# Altium PCB power-v3.6.PcbDoc (part 3 of 3)
Units mil, origin at the board's own origin, x right, y up, seen from the top; angles counter-clockwise.
Board outline 6141.36 x 3430.84 mil, 4 copper layers (Signal 1, Ground, Power, Signal 2), stack 60.469 mil thick; 253 components, 142 nets, 643 pads, 692 vias.
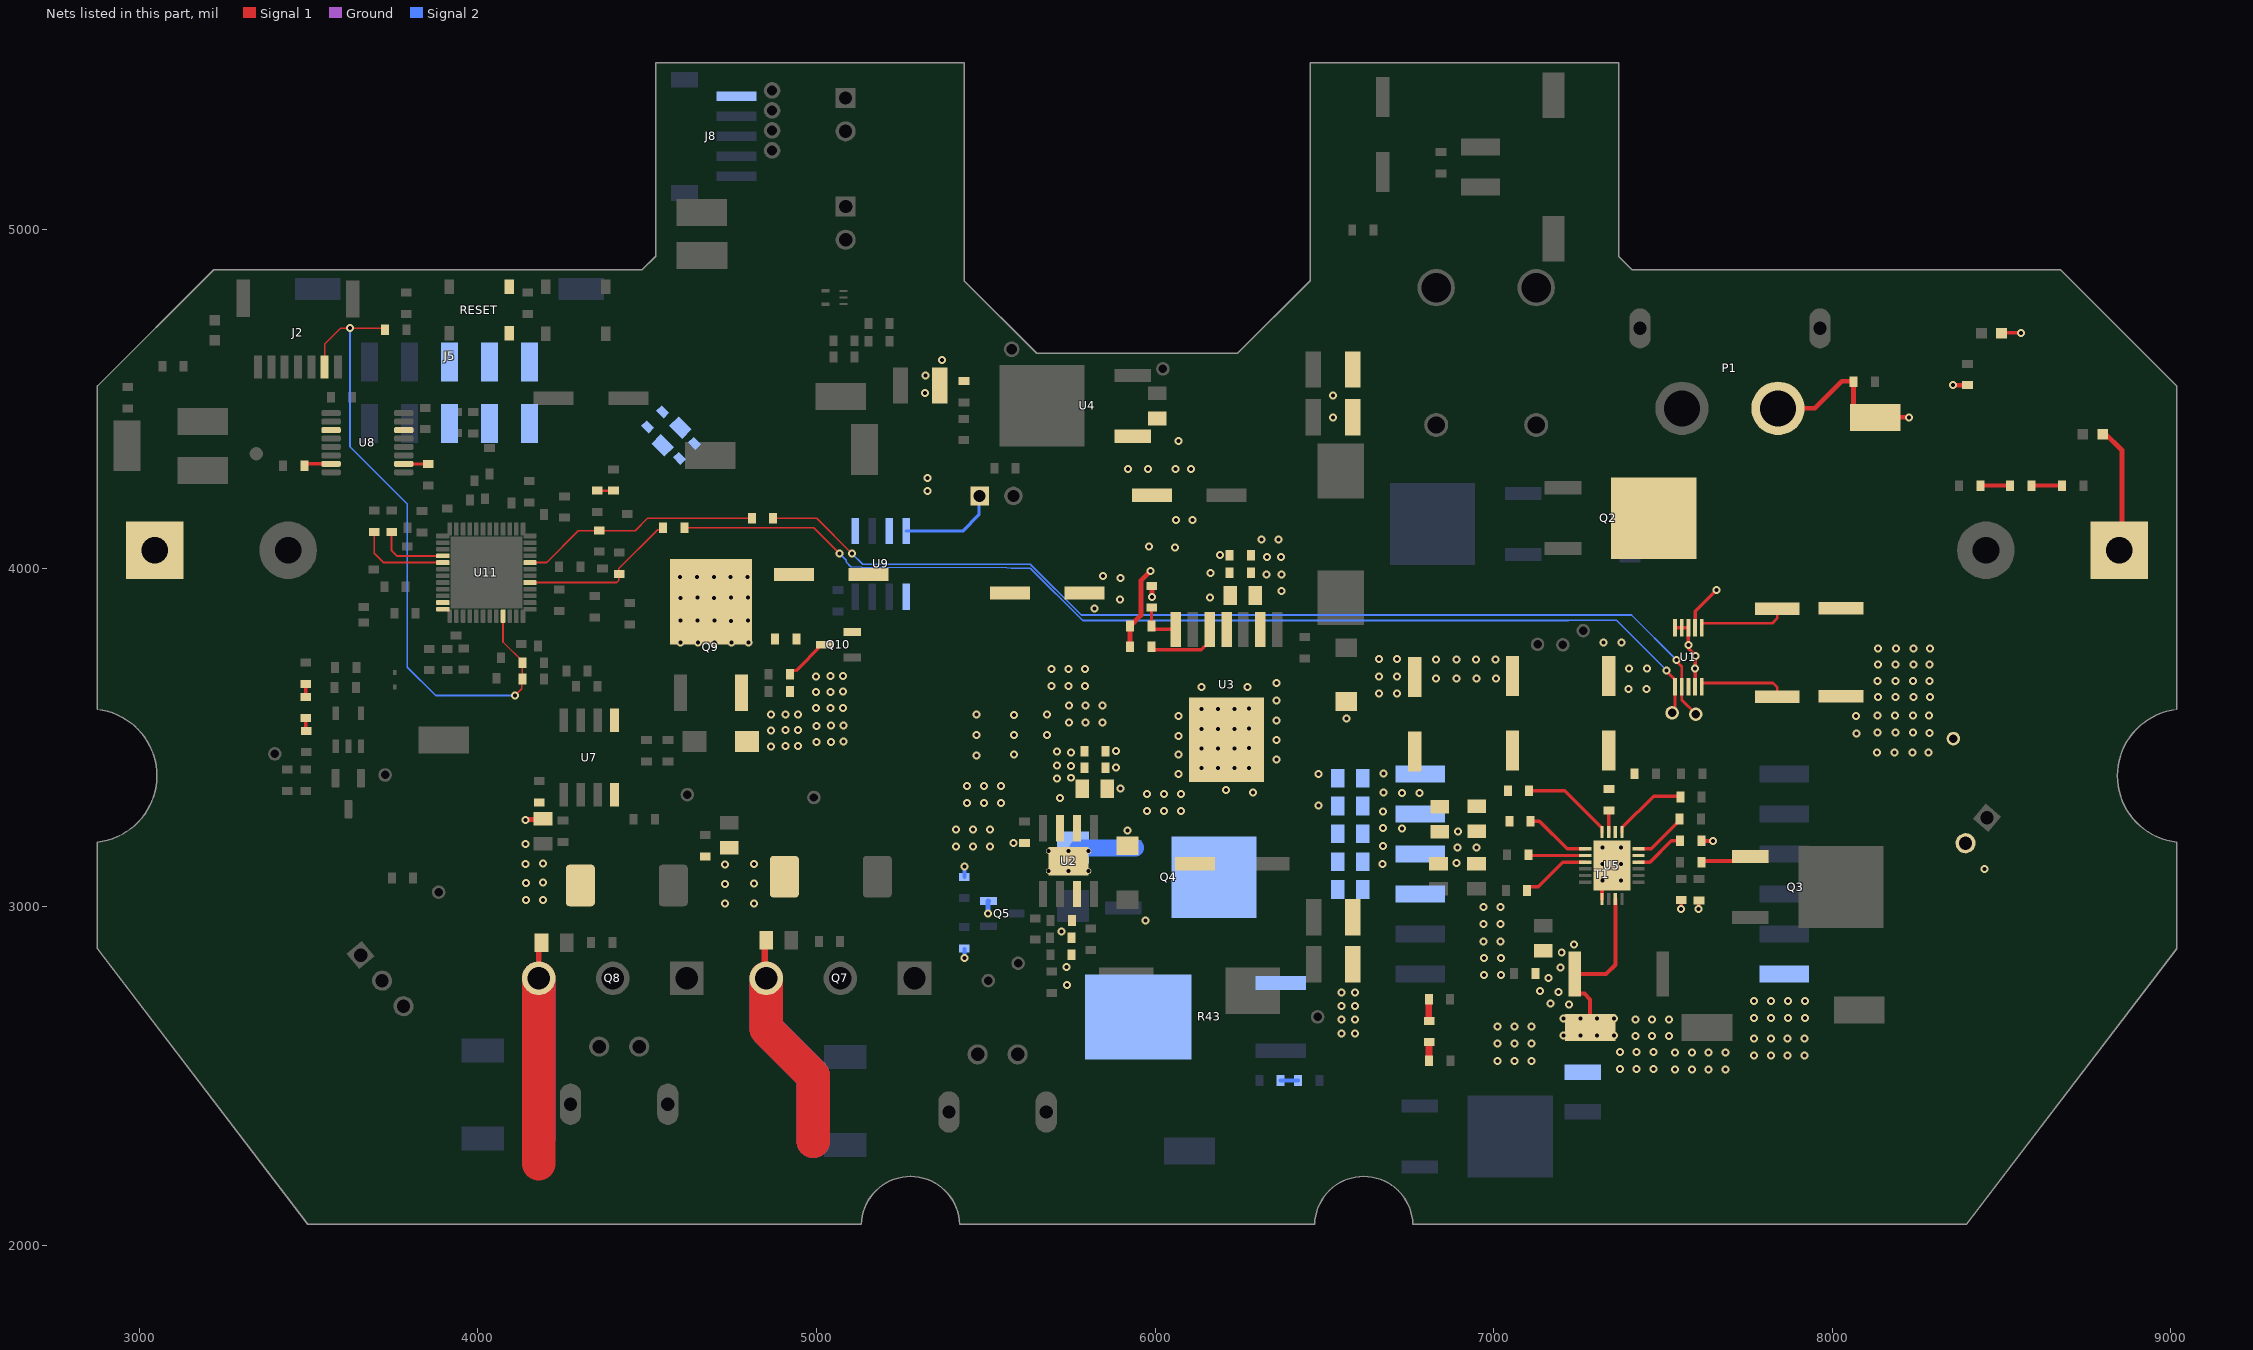
[diagram p5: the nets of this part, all layers, seen from the top]

## Via types
v1: diameter 23.62, hole 11.81, Signal 1 to Signal 2, tented both sides, 627 vias
v2: diameter 23.62, hole 11.81, Signal 1 to Signal 2, 61 vias
v3: diameter 181.1, hole 94.49, Signal 1 to Signal 2, tented both sides, 4 vias

## Nets (pads, with @x,y where several pads share a name; then routed paths per layer and width w, separated by ;. In a path a pad name is that pad's centre, name@x,y a point inside that pad or via, vN(x,y) a via of type N, cw(c..) or ccw(c..) an arc to the next point about the centre after c; other vN are vias at no path point) (continued)
NetPMS_SCL_1: PMS_SCL.1 R67.1 U1.6 | length 3216.2
  Signal 1 w5: R67.1@4610.4,4120.04 4991.82,4120.04 v1(5068.67,4043.2)
  Signal 1 w8: v1(7510.71,3698.55) 7510.71,3696.17 7535.84,3671.03 U1.6@7535.84,3650.28 7535.84,3590.7 7527.03,3581.89 PMS_SCL.1@7527.03,3573.23
  Signal 2 w5: v1(5068.67,4043.2) 5087.56,4024.31 5087.56,4018.77 5101.41,4004.91 5132.81,4003.45 5562.14,4001.94 5575.93,3999.93 5576.65,3999.88 5631.86,3999.88 5785.98,3845.76 7221.24,3845.76 7221.93,3846.45 7362.82,3846.45 v1(7510.71,3698.55)
NetPMS_SDA_1: PMS_SDA.1 R66.1 U1.7 | length 3024.9
  Signal 1 w5: R66.1@4872.08,4147.95 5000.33,4147.95 v1(5105.03,4043.25)
  Signal 1 w8: v1(7540.53,3728.63) 7540.53,3724.98 7555.54,3709.97 U1.7@7555.54,3650.28 7555.54,3610.75 PMS_SDA.1@7597.05,3569.25
  Signal 2 w5: v1(5105.03,4043.25) 5136.33,4011.95 5631.81,4011.95 5781.67,3862.09 7407.08,3862.09 v1(7540.53,3728.63)
NetQ3_1: Q3.1 R38.1 | length 151.5
  Signal 1 w12: R38.1@7614.07,3132.04 7618.01,3135.97 7743.65,3135.97 Q3.1@7758.03,3150.36
NetQ4_D: Q4.2 R43.1
NetQ10_3: Q10.3 R56.2 | length 156
  Signal 1 w10: R56.2@4921.44,3687.59 4921.44,3691.36 4928.25,3698.17 4939.63,3698.17 5015.99,3774.53 Q10.3@5024.5,3774.53 Q10.3@5039.26,3774.53
NetR12_2: R12.2 R14.1 U3.7 | length 132.2
  Signal 1 w10: R12.2@5990.66,3884.22 5989.63,3883.19 R14.1@5989.63,3829.8 5989.63,3826.63 5996.44,3819.82 U3.7@6061,3819.82
NetR13_1: R13.1 U3.5 | length 224
  Signal 1 w10: R13.1@5987.88,3768.78 5987.88,3766.63 5994.69,3759.82 6137,3759.82 6161,3783.82 U3.5@6161,3819.82
NetR16_1: R16.1 U8.7 | length 81.6
  Signal 1 w10: R16.1@3487.18,4302.79 3492.9,4308.5 U8.7@3566.46,4308.5
NetR17_2: R17.2 U8.10 | length 72.3
  Signal 1 w10: U8.10@3781.03,4308.5 3781.39,4308.14 3852.68,4308.14 R17.2@3853.04,4307.78
NetR25_1: R25.1 R27.2 | length 87.3
  Signal 1 w12: R25.1@8437.6,4244.32 R27.2@8524.92,4244.32
NetR26_1: R26.1 R28.2 | length 55.7
  Signal 1 w20: R26.1@6808.93,2545.24 R26.1@6809.08,2545.38 6809.36,2545.66 6809.36,2600.19 R28.2@6809.65,2600.48 R28.2@6809.79,2600.34
NetR27_1: R27.1 R29.2 | length 91
  Signal 1 w12: R27.1@8587.92,4244.32 R29.2@8678.96,4244.32
NetR28_1: R28.1 R33.2 | length 64.1
  Signal 1 w20: R33.2@6808.51,2727 6808.51,2664.6 R28.1@6809.65,2663.47 R28.1@6809.68,2663.51
NetR42_1: R42.1 R44.2 | length 51.3
  Signal 2 w12: R44.2@6371.06,2487.26 R42.1@6422.41,2487.26
NetR43_3: R43.3
NetR47_1: R47.1 R48.2 | length 38
  Signal 1 w10: R48.2@3491.91,3620.69 R47.1@3491.91,3658.7
NetR48_1: R48.1 R49.2 | length 38.2
  Signal 1 w8: R49.2@3491.91,3521.33 R49.2@3493.18,3520.06
  Signal 1 w10: R49.2@3491.91,3521.33 R48.1@3491.91,3557.7
NetR59_2: R59.2 U11.41 | length 275.1
  Signal 1 w5: R59.2@3694.14,4105.74 3694.14,4044.51 3721.62,4017.03 U11.41@3896.61,4017.03
NetR60_2: R60.2 U11.40 | length 213
  Signal 1 w5: R60.2@3745.1,4107.2 3745.1,4052.09 3760.46,4036.72 U11.40@3896.61,4036.72
NetR63_1: R63.1 R64.2 | length 47.8
  Signal 1 w8: R64.2@4352.49,4229.27 R63.1@4400.31,4229.27
NetRESET_2: RESET.2
NetRESET_4: RESET.4
NetU1_8: U1.8
NetU2_3: U2.3
NetU5_15: U5.15
NetU5_18: U5.18
NetU7_1: U7.1
NetU7_8: U7.8
NetU8_3: U8.3
NetU8_14: U8.14
NetU9_1: U9.1
NetU9_5: U9.5
NetU9_7: U9.7
NetU11_47: U11.47
NetU11_48: U11.48
OVLO1: R24.1 U5.1 | length 195.2
  Signal 1 w10: R24.1@7109.11,3253.1 7109.38,3252.83 7135.45,3252.83 7216.75,3171.53 U5.1@7270.54,3171.53
OVLO2: R22.1 U5.3 | length 208.7
  Signal 1 w10: R22.1@7098.91,3048.29 7098.91,3052.23 7105.73,3059.04 7131.28,3059.04 7204.4,3132.16 U5.3@7270.54,3132.16
PGND: C2.2 C3.2 C4.1 C5.1 C6.NEG C8.1 C10.1 C11.2 C12.1 C13.NEG C14.NEG C15.2 C17.1 C18.NEG C19.NEG C20.NEG C21.1 C22.NEG C23.NEG C24.1 C25.1 C26.1 C27.1 C28.1 C29.1 C30.1 C32.2 C33.2 C34.2 C35.1 C41.1 C42.1 C48.1 C49.1 C50.1 C56.NEG C67.1 C68.1 C69.1 C72.1 C73.2 C74.2 D2.A D4.A D5.2 D8.2 D9.A D13.A D15.A FB_CSN.1 J1.2 J5.1 J5.2 J5.3 J8.1 P1.1 PGND.1 Q4.3 Q5.2 Q7.3 Q8.3 Q10.2 R3.1 R4.2 R10.1 R11.2 R13.2 R14.2 R15.2 R40.1 R41.1 R46.1 R52.2 R54.2 R71.2 R75.1 T1.12 U1.3 U1.4 U1.5 U1.9 U2.7 U2.9 U2.V1 U2.V2 U2.V3 U2.V4 U2.V5 U2.V6 U3.4 U3.8 U4.1 U5.7 U5.9 U5.21 | length 4720.4
  Signal 1 w10: U1.5@7535.84,3824.78 U1.4@7555.54,3824.78 U1.3@7575.24,3824.78 ; v1(7553.78,2994.01) 7553.78,3020.11 C35.1@7553.89,3020.23 ; U1.3@7575.26,3824.77 v1(7575.28,3772.92) 7577.88,3770.31 7577.88,3760.62 7595.9,3742.61 v1(7595.9,3740.72) 7595.42,3740.24 7595.42,3650.76 U1.9@7594.94,3650.28 ; v1(7605.42,2994.01) 7605.42,3018.35 C34.2@7606.56,3019.5 ; D5.2@8499.89,4694.62 8500.8,4695.53 v2(8557.44,4695.53)
  Signal 1 w12: FB_CSN.1@7284.93,2641.05 FB_CSN.1@7284.93,2643.97 7284.93,2726.79 7267.87,2743.85 7252.34,2743.85 7239.64,2756.55 R40.1@7239.64,2801.73 7331.72,2801.73 7359.24,2829.24 7359.24,2987.89 U5.9@7359.25,3023.76 ; U5.7@7319.88,3023.77 U5.21@7319.88,3080.22 ; v1(7321.9,3078.2) U5.21@7319.88,3080.22 ; U5.21@7349.41,3122.32 7319.88,3092.79 U5.21@7319.88,3080.22 ; R41.1@7613.17,3195.51 7613.77,3194.91 7647.39,3194.91 v1(7647.99,3194.31)
  Signal 1 w14: P1.1@7839.72,4472.61 7948.79,4472.61 8028.4,4552.22 8061.95,4552.22 R3.1@8062.63,4551.54 8062.63,4480.81 8097.59,4445.85 PGND.1@8127.41,4445.85 8127.7,4446.14 v1(8226.37,4446.14)
  Signal 1 w15: v1(4141.21,3256.67) 4142.86,3258.32 4204.41,3258.32 C42.1@4207.21,3255.51 ; Q8.3@4179.54,2789.21 4179.82,2789.49 4179.82,2895.4 C74.2@4180.1,2895.68 ; R13.2@5926.55,3768.69 5926.59,3768.73 R14.2@5926.63,3829.8 R14.2@5926.63,3829.8 5957.96,3861.12 5957.96,3963.61 v1(5985.81,3991.47) ; D8.2@8803.48,4400.72 8855.5,4348.7 8855.5,4061.4 C23.NEG@8847.64,4053.54
  Signal 1 w20: C73.2@4847.28,2879.45 4847.28,2793.36 Q7.3@4851.63,2789.02
  Signal 1 w100: 4179.54,2241.61 Q8.3@4179.54,2789.21 ; Q7.3@4851.63,2789.02 4851.63,2639 4990.38,2500.25 4990.38,2308.08
  Ground w100: 4179.54,2316.82 Q8.3@4179.54,2789.21 ; Q7.3@4851.63,2789.02 4851.63,2640.18 4990.38,2501.43 4990.38,2308.08
  Signal 2 w12: v1(5437.18,2849.25) R46.1@5437.18,2876.35
  Signal 2 w15: v1(5506.48,2980.56) 5506.48,3016.43 Q5.2@5507.94,3017.89
  Signal 2 w50: D9.A@5771.84,3174.54 5941.74,3174.54 Q4.3@5942.67,3175.47
  other v1: 7535.2,2519.81 7585.2,2519.81 7635.2,2519.81 7685.2,2519.81 7372.47,2521.02 7422.47,2521.02 7472.47,2521.02 7011.66,2545.43 7061.66,2545.43 7111.66,2545.43 7768.41,2561.8 7818.41,2561.8 7868.41,2561.8 7918.41,2561.8 7535.2,2569.81 7585.2,2569.81 7635.2,2569.81 7685.2,2569.81 7372.47,2571.02 7422.47,2571.02 7472.47,2571.02 7011.7,2596.61 7061.7,2596.61 7111.7,2596.61 7768.41,2611.8 7818.41,2611.8 7868.41,2611.8 7918.41,2611.8 7418.38,2618.19 7468.38,2618.19 7518.38,2618.19 7205.88,2619.8 7255.88,2619.8 7305.88,2619.8 7355.88,2619.8 6550.74,2626.82 6590.74,2626.82 7011.7,2646.61 7061.7,2646.61 7111.7,2646.61 6550.74,2666.82 6590.74,2666.82 7418.38,2668.19 7468.38,2668.19 7518.38,2668.19 7205.88,2669.8 7255.88,2669.8 7305.88,2669.8 7355.88,2669.8 7769.59,2672.47 7819.59,2672.47 7869.59,2672.47 7919.59,2672.47 6550.74,2706.82 6590.74,2706.82 7222.33,2712.26 7167.79,2714.21 7769.59,2722.47 7819.59,2722.47 7869.59,2722.47 7919.59,2722.47 6550.74,2746.82 6590.74,2746.82 7191.65,2749.31 7137.11,2751.26 5740.01,2769.82 7161.47,2790.72 6971.19,2798.29 7021.19,2798.29 7196.92,2820.9 5737.82,2823 6971.22,2849.47 7021.22,2849.47 7201.13,2864.77 7237.98,2889.34 6970.42,2898.58 7020.42,2898.58 5723.1,2927.26 6970.45,2949.76 7020.45,2949.76 5971.61,2959.55 6970.45,2999.76 7020.45,2999.76 4142.35,3020.96 4192.87,3020.96 4141.93,3071.07 4192.45,3071.49 7375.92,3078.2 4141.09,3127.02 7321.9,3126.55 7375.92,3126.55 4192.87,3127.86 6890.82,3130.07 7321.9,3174.91 7375.92,3174.91 6893.72,3175.69 6949.22,3175.98 5412.51,3179.06 5462.51,3179.06 5512.51,3179.06 4140.26,3186.32 5581.28,3189.23 6894.88,3222.47 5918,3226.41 5412.51,3229.06 5462.51,3229.06 5512.51,3229.06 5975.97,3283.7 6025.97,3283.7 6075.97,3283.7 6483.01,3299.39 5445.14,3307.41 5495.14,3307.41 5545.14,3307.41 5975.97,3333.7 6025.97,3333.7 6075.97,3333.7 6289.48,3337.57 6210.22,3344.85 5897.64,3349.44 5445.14,3357.41 5495.14,3357.41 5545.14,3357.41 6482.53,3392.37 6069.13,3392.57 6136.67,3409.65 6185.59,3409.65 6235.14,3410.28 6278.14,3410.9 5884.17,3411.75 6359.04,3435.44 5472.81,3446.59 5582.95,3450.04 6069.13,3450.8 5884.51,3460.25 6136.67,3467.89 6185.59,3467.89 6235.14,3468.51 6278.14,3469.13 6359.04,3493.67 6069.13,3504.99 5472.81,3507.28 5582.95,3508.29 5680.7,3507.82 6136.67,3525.31 6185.59,3525.31 6235.14,3525.94 6278.14,3526.56 5745.2,3544.73 5795.2,3544.73 5845.2,3544.73 6359.04,3551.09 6565.5,3555.97 6069.13,3563.23 5582.95,3566.32 5472.81,3567.97 5680.7,3568.51 6136.67,3584.36 6185.59,3584.36 6235.14,3584.98 6278.14,3585.61 5745.2,3594.73 5795.2,3594.73 5845.2,3594.73 6359.04,3610.14 6136.62,3648.96 6273.31,3649.77 5693.77,3653.17 5743.77,3653.17 5793.77,3653.17 6359.04,3661.18 5693.77,3703.17 5743.77,3703.17 5793.77,3703.17 7595.17,3704.91 6161.98,3914.61 6163.44,3986.01 6191.69,4039.31 6058.36,4060.88 5982.32,4065.11 5328.58,4228.45 5328.58,4266.62 5920.77,4293.22 5979.3,4293.22 6060.77,4293.22 6068.7,4375.82 6526.04,4445.78 6525.42,4509.86 5320.69,4517.94 5321.68,4570.13 5370.26,4615.55
  other v2: 4730.3,3009.64 4816.18,3010.74 4730.3,3067.57 4816.18,3068.67 8449.78,3111.78 4730.3,3125.5 4816.18,3126.6 6661.91,3629.71 6715.16,3629.71 7398.28,3643.21 7451.53,3643.21 6830.01,3675.23 6890.46,3675.23 6949.25,3675.23 7006.31,3675.23 6661.91,3680.61 6715.16,3680.61 7399.09,3704.26 7452.34,3704.26 6829.22,3730.4 6889.66,3730.4 6948.46,3730.4 7005.51,3730.4 6661.16,3732.67 6714.41,3732.67 7324.21,3781.58 7377.46,3781.58 6061.45,4143.52 6111.19,4143.52 6105.59,4293.43
PMS_SCL: R5.1 R67.2 U11.17 | length 473.1
  Signal 1 w5: U11.17@4162.55,3957.98 4410.08,3957.98 4416.04,3963.94 4416.04,3982.24 R5.1@4417.02,3983.23 4416.45,3983.8 4416.45,3999.61 4531.03,4114.19 4541.56,4114.19 R67.2@4547.41,4120.04
PMS_SDA: R6.1 R66.2 U11.20 | length 700.8
  Signal 1 w5: U11.20@4162.55,4017.03 4202.57,4017.03 4296.84,4111.31 4358.89,4111.31 4464.44,4111.31 4501.09,4147.95 R66.2@4809.08,4147.95
PWR_CUT: J13.1 U9.8 | length 291.5
  Signal 2 w10: U9.8@5264.91,4110.19 5432.18,4110.19 5479.89,4157.9 5479.89,4211.96 J13.1@5481.81,4213.87
RBG: R41.2 U5.14 | length 148.1
  Signal 1 w10: U5.14@7428.28,3132.16 7461.82,3132.16 7525.17,3195.51 R41.2@7550.18,3195.51
RDCM: R32.2 U5.17 | length 224.9
  Signal 1 w10: U5.17@7378.94,3220.87 7378.94,3233.62 7472.71,3327.39 7548.48,3327.39 R32.2@7551.17,3324.7
RESET: C57.2 J2.6 R39.1 R61.2 U11.9 | length 1953.7
  Signal 1 w5: J2.6@3547.3,4594.6 3547.3,4662.53 3594,4709.23 3721.24,4709.23 R39.1@3725.79,4704.69 ; U11.9@4074.37,3858.96 4074.37,3782.61 4130.65,3726.32 4130.65,3678.39 R61.2@4130.94,3678.09 ; v1(4110.25,3624.48) 4110.25,3625.42 4129.45,3644.62 R61.2@4129.45,3673.73
  Signal 2 w5: v1(3622.25,4709.23) 3622.25,4359.59 3791.78,4190.06 3791.78,3707.92 3875.22,3624.48 v1(4110.25,3624.48)
RVOUT: R37.2 U5.16 | length 160
  Signal 1 w10: U5.16@7428.28,3171.53 7465.15,3171.53 7549.45,3255.83 R37.2@7549.45,3259.76
RVTRANS: R30.2 U5.19 | length 65.2
  Signal 1 w10: U5.19@7339.57,3220.87 7339.57,3284.15 R30.2@7340.91,3285.49
UVLO1: R23.1 U5.20 | length 273
  Signal 1 w10: R23.1@7105.03,3342.7 7105.33,3342.99 7210.51,3342.99 7319.88,3233.62 U5.20@7319.88,3220.87
UVLO2: R21.1 U5.2 | length 168.5
  Signal 1 w10: R21.1@7102.83,3153.74 7104.72,3151.85 U5.2@7270.54,3151.85
VCC: C3.1 C4.2 C5.2 C11.1 C13.POS C18.POS C19.POS C20.POS C24.2 C25.2 C26.2 C27.2 C28.2 C29.2 C30.2 C31.2 C67.2 C72.2 D16.1 Q9.3 R7.1 R8.1 R12.1 R20.2 R23.2 R24.2 R30.1 R45.2 R55.1 T1.3 T1.4 T1.5 T1.6 U1.10 U2.2 U3.2 VCC.1 | length 370.5
  Signal 1 w8: U1.10@7614.64,3650.28 7614.64,3659.73 7616.14,3661.23 7825.27,3661.23 7837.4,3649.1 R7.1@7837.4,3620.81 ; v1(8356.98,4541.35) v1@8357.19,4541.14 ; R20.2@8399.36,4541.14 R20.2@8399.58,4540.92
  Signal 1 w14: v1@8357.19,4541.14 R20.2@8399.36,4541.14
  Signal 1 w15: v1(5990.66,3915.71) R12.1@5990.66,3947.21
  Signal 2 w12: R45.2@5436.78,3089.22 v1@5436.78,3119.3
  other v1: 5437.04,3119.57 6671.86,3126.37 6672.98,3180.4 6729.15,3230.93 6673.3,3233.23 6673.35,3282.18 5719.28,3322.32 6729.4,3335.88 6781.58,3336.13 6674.28,3338.25 5711.11,3379.57 5751.69,3381.54 6674.28,3393.7 5752.1,3416.52 5711.11,3418.23 8131.86,3456.5 8184.24,3456.5 8236.63,3456.5 8284.76,3456.2 5752.1,3456.65 5711.11,3458.36 4865.3,3474.19 4908.86,3474.6 4944.95,3474.87 4999.49,3487.42 5043.04,3487.82 5079.14,3488.1 8070.93,3512.85 8286.65,3514.38 8133.75,3514.67 8186.14,3514.67 8238.52,3514.67 4865.3,3521.76 4908.86,3522.16 4944.95,3522.44 4999.49,3534.98 5043.04,3535.38 5079.14,3535.66 8070.46,3563.93 8286.18,3565.46 8133.28,3565.75 8185.66,3565.75 8238.05,3565.75 4865.3,3568.1 4908.86,3568.5 4944.95,3568.78 4998.05,3587.3 5041.61,3587.7 5077.7,3587.98 8288.07,3620.32 8135.17,3620.62 8187.55,3620.62 8239.94,3620.62 4998.05,3634.86 5041.61,3635.26 5077.7,3635.54 8133.75,3667.91 8186.14,3667.91 8238.52,3667.91 8286.65,3667.62 4998.05,3681.2 5041.61,3681.6 5077.7,3681.88 8134.7,3716.15 8187.08,3716.15 8239.47,3716.15 8287.6,3715.86 8135.78,3763.45 8188.17,3763.45 8240.55,3763.45 8288.69,3763.16 6372.9,3932.45 6329.46,3982.45 6372.82,3982.12 6330.11,4033.57 6372.46,4033.64 6314.82,4085.15 6364.82,4085.15
  other v2: 5821.52,3881.4 5895.94,3907.48 5897.19,3972.09 5845.85,3977.41
VCC_MOTOR: C48.2 C49.2 C50.2 C56.POS J5.6 J5.7 J5.8 Q9.2 R71.1
  other v1: 4599.09,3780.55 4649.39,3781.35 4699.39,3781.35 4749.39,3781.35 4799.39,3781.35 4747.88,3844.85 4597.8,3845.7 4648.1,3846.5 4698.1,3846.5 4798.1,3846.5 4597.8,3912.78 4697.13,3912.7 4648.1,3913.58 4748.1,3913.58 4798.1,3913.58 4596.47,3973.86 4646.77,3974.67 4696.77,3974.67 4746.77,3974.67 4796.77,3974.67
VCC_RPP: Q2.2 R7.2 R8.2 U1.1 U1.2 | length 406.1
  Signal 1 w8: U1.1@7614.64,3824.78 7614.64,3836.18 7616.14,3837.68 7822.75,3837.68 7837.4,3852.33 R7.2@7837.4,3880.66
  Signal 1 w10: U1.2@7594.94,3824.78 7594.94,3873.2 v1(7657.52,3935.78)
pads on no net: D7.1 J2.P1 J2.P2 J4.3 J4.4 P1.Un1 P1.Un2 P2.NC P3.NC T1.2 T1.11
copper on no net:
  other v3: 4783.29,2437.79 8169.12,2437.79 4783.29,4721.25

## Polygon pours and split planes (outlines as drawn)
GND on Ground "GND_L02_P302" (solid, pour order 302): 5725.2,5232.61 5459.23,4966.65 5249.46,4966.65 5161.43,4878.62 5161.43,4723.16 5496.58,4388.01 6578.49,4388.01 6578.49,4458.3 7023.16,4902.97 7037.21,4888.92 7402.46,4888.92 7402.46,5369.35 7557.84,5524.74 7446.85,5635.73 5821.63,5635.73 5772.48,5586.58
PGND on Ground "PGND_L02_P287" (solid, pour order 287): 4006.96,1659.41 4006.96,3309.95 4235.32,3538.3 4315.44,3458.18 5036.55,3458.18 5180.77,3602.4 5156.73,3626.44 5156.73,4439.46 6426.88,4439.46 6732.1,4744.69 7237.62,4744.69 8169.12,5676.18 9126.84,4718.46 9126.84,2328.44 8493.87,1695.47
GND on Ground "GND_L02_P195" (solid, pour order 195): 5497.19,4778.85 5343.15,4932.89 5342.81,4932.89 5223.26,4813.34 5372.56,4664.04 5372.56,4663.58 5291.34,4582.36 5291.34,4539.12 5291.58,4538.87 5291.58,4260.09 5282.76,4251.28 5255.95,4251.28 5201.11,4196.44 5201.11,3545.82 4991.72,3336.43 4123.12,3336.43 4074.14,3287.45 4074.14,2026 3931.77,1883.64 3270.71,1883.64 2458.93,2695.41 2458.93,5874.86 5491.81,5874.86 5514.36,5897.41 5506.48,4789.7
PGND on Ground "PGND_L02_P207" (solid, pour order 207): 5234.62,4212.35 5613.69,4212.35 5613.69,4440.63 5394.07,4660.25 5305.37,4571.55 5306.59,4570.33 5306.59,4256.72 5282.77,4232.89 5255.16,4232.89
PGND on Ground "PGND_L01_P-001" (solid, remove dead copper, pour order 192): 8629.57,3113.29 8098.02,2416.63 3776.71,2416.63 3269.57,3037.39 3269.57,4174.99 2879.57,4174.99 2879.57,2062.82 9019.57,2062.82 9019.57,4174.99 8629.57,4174.99
PGND on Signal 1 "PGND_L01_P275" (solid, pour order 275): 4201.22,3320.41 4131.77,3320.41 4123.75,3312.39 4124.2,3311.95 4124.2,2987.31 4362.37,2987.31 4362.37,3166.42 4185.22,3166.42 4185.22,3229.86 4185.22,3280.61 4201.04,3296.43
PGND on Signal 1 "PGND_L01_P315" (solid, remove dead copper, pour order 315): 5486.02,4807.77 5099.88,4421.63 4552.12,3932.85 4552.12,3110.8 5476.61,3110.8 5626.06,2988.45 6133.03,2988.45 6133.03,4569.85 6006.77,4696.11
3V3 on Signal 1 "3V3_L01_P312" (solid, pour order 312): 5644.41,4713.44 5564.4,4713.44 5435.49,4584.54 5435.49,4314.09 5485.81,4263.76 5706.99,4263.76 5909.2,4465.97 5909.2,4669.24
5V on Signal 1 "5V_L01_P311" (solid, pour order 311): 5838.68,4647.62 5838.68,4534.04 5903.92,4468.8 5904.94,4469.82 6541.11,4469.82 6541.11,4674.74 6427.94,4787.91 6184.28,4787.91
PGND on Signal 1 "PGND_L01_P307" (solid, pour order 307): 6481.76,4667.55 6617.14,4667.55 6654.83,4629.86 6654.83,4351.42 6490.22,4351.42 6447.92,4393.73 6447.92,4634.48
VCC on Signal 1 "VCC_L01_P282" (solid, pour order 282): 6778.14,3272.91 6768.88,3263.64 6769.76,3262.76 6769.76,3104.89 6751.4,3086.52 6641.35,3086.52 6630.52,3097.35 6630.52,3500.64 6694.3,3564.41 7453.42,3564.41 7485.25,3532.59 7675.76,3532.59 7675.76,3630.66 7694.03,3643.56 7848.06,3643.56 7871.26,3666.76 7871.26,3750.74 7926.58,3806.07 8276.95,3806.07 8388.68,3672.6 8388.68,3485.39 8290.02,3386.72 7921.12,3386.72 7854.22,3453.62 7457.72,3454.35 7429.38,3426.01 7429.38,3361.67 7398.75,3331.04 7266.24,3331.04 7198.18,3399.1 7077.99,3399.1 7056.04,3377.15 7057.34,3375.85 7057.34,3230.68 7044.2,3217.54 7033.99,3217.54 6994.03,3257.5 6994.03,3267.71 6988.83,3272.91
PGND on Signal 1 "PGND_L01_P299" (solid, pour order 299): 6098.08,3256.22 6114.03,3240.27 6503.19,3240.27 6642.77,3379.85 6642.77,3709.43 6505.29,3846.91 6393.86,3735.49 6272.71,3735.49 6251.46,3756.75 6251.46,4086.19 6181.61,4156.03 6181.61,4476.79 6034.26,4475.07 5909.63,4475.07 5816.45,4363.41 5816.45,4151.01 5973.85,3993.61 5973.85,3408.73
VCC on Signal 1 "VCC_L01_P304" (solid, pour order 304): 6263.75,4116.87 6419.65,4116.87 6521.05,3999.9 6521.05,3833.2 6324.38,3833.2 6311,3819.82 6226.12,3904.7 6226.12,4079.24 6225.37,4069.3
PGND on Signal 1 "NONET_L-01_P-001" (solid, pour order 321): 6643.7,3824.52 6642.59,3823.41 6642.59,3598.54 7471.16,3598.54 7466.73,3602.97 7466.73,3823.41
VCC on Signal 1 "VCC_L01_P294" (solid, pour order 294): 5728.73,3489.6 5808.04,3489.6 5823.08,3467.62 5823.08,3440.6 5823.08,3221.43 5800.47,3198.82 5752,3198.82 5689.36,3279.4 5689.36,3450.23
PGND on Signal 1 "PGND_L01_P293" (solid, pour order 293): 6487.09,3155.39 6546.75,3155.39 6662.1,3040.05 6662.1,2625.88 6469.57,2433.35 5721.67,2433.35 5614.38,2540.64 5614.38,3189.02 5765.1,3189.02 5824.06,3247.97 5824.06,3443.64 5840.09,3459.67 5986.87,3459.67
12V on Signal 1 "12V_Power_1" (solid, pour order 292): 6511.14,3101.29 6512.04,3100.39 6512.04,3261.58 6384.16,3261.58 6383.74,3261.99 6229.58,3261.99 6207.55,3239.97 6207.55,2925.85 6207.55,2816.81 6207.55,2652.01 6511.14,2652.01 6511.14,2850.38
12V on Signal 1 "12V_L01_P250" (solid, pour order 250): 7647.4,3031.73 7648.09,3031.04 7676.94,3031.04 7681.93,3036.03 7681.93,3090.36 7665.43,3106.86 7490.03,3106.86 7483.94,3100.77 7413.63,3100.77 7409.32,3096.45 7409.32,3065.74 7424.06,3051 7621.42,3051 7641.09,3031.33
LT_CSP on Signal 1 "LT_CSP_L01_P267" (solid, pour order 267): 7835.48,3005.81 7653.57,3005.81 7588.75,2940.99 7484.2,2940.99 7476.04,2932.84 7476.04,2733.33 7486.94,2722.43 7853.49,2722.43 7866.15,2735.1 7866.15,2981.57
NetFB_D_1 on Signal 1 "NETFB_D_1_L01_P270" (solid, pour order 270): 8390.08,3398.81 8382.29,3391.02 7932.23,3391.02 7866.39,3456.86 7597.92,3456.86 7592.62,3462.15 7580.94,3450.47 7580.94,3237.64 7596.38,3222.21 7830.72,3222.21 7844.02,3208.91 7835.71,3200.6 7835.71,2780.93 8317.46,2779.19 8317.46,2780.65 8390.08,2876.51
GND on Signal 1 "NONET_L-01_P-001" (solid, pour order 320): 4361.72,4459.62 4361.72,4580.97 4610.18,4580.97 4610.67,4580.48 4610.67,4459.11
12V on Signal 1 "NONET_L-01_P-001" (solid, pour order 319): 4278.52,3253.11 4278.52,3366.05 4278.23,3366.33 4279.07,3367.17 4328.87,3367.17 4328.87,3232.48 4328.87,3212.3 4279.09,3212.3
GND_JETSON on Signal 1 "GND_JETSON_L01_P281" (solid, pour order 281): 3584.56,4243.66 3586.96,4241.26 3653.4,4241.26 3653.4,4472.63 3653.4,4543.53 3596.23,4543.53 3596.15,4543.61 3590.49,4537.95 3590.49,4458.12 3581.69,4449.32 3534.55,4449.32 3534.55,4317.24 3389.41,4317.24 3374.8,4331.85 3374.8,4648.09 3314.79,4648.09 3314.79,4279.2 3350.33,4243.66
5V on Signal 1 "5V_L01_P203" (solid, pour order 203): 4313.42,4442.87 4313.03,4443.26 4313.03,4540.28 4288.77,4540.28 4186.22,4637.7 3642.3,4637.7 3642.3,4525.49 3659.65,4508.14 3882.19,4508.14 3888.03,4502.31 3888.03,4470.45 3915.61,4442.87
PGND on Signal 1 "PGND_L01_P-001" (solid, remove dead copper, pour order 221): 8630.35,3112.57 8098.8,2415.92 3777.49,2415.92 3270.35,3036.67 3270.35,4174.99 2880.35,4174.99 2880.35,2062.11 9020.35,2062.11 9020.35,4174.99 8630.35,4174.99
VCC on Signal 1 "VCC_L01_P193" (solid, pour order 193): 5761.26,4008.91 5776.02,4008.91 5925.34,4008.91 5925.34,3873.19 5907.28,3855.13 5784.74,3855.13 5761.26,3878.61 5761.26,3992.31
5V on Signal 1 "5V_L01_P298" (solid, pour order 298): 6544.93,4362.26 6495.13,4412.06 6495.13,4649.13 6370.28,4773.97 6312.29,4773.97 6185.75,4647.43 6185.75,4150.78 6211.34,4125.19 6487.56,4125.19 6540.11,4177.75
VCC on Signal 1 "VCC_L01_P249" (solid, remove dead copper, pour order 249): 4711.03,3746.44 4711.03,3457.82 5119.03,3457.82 5119.03,3746.44
12V on Signal 1 "12V_L01_P204" (solid, pour order 204): 5332.13,3950.57 5308.49,3926.93 5308.49,3848.3 5339.36,3817.43 5397.75,3817.43 5411.31,3834.01 5411.31,3928.85 5391.24,3948.92
NetD1_2 on Signal 1 "NETD1_2_L01_P246" (solid, pour order 246): 7040.44,4313.69 6981.69,4254.94 6981.69,4192.37 7043.36,4130.71 7044.22,4131.56 7281.63,4131.56 7281.63,4278.46 7246.39,4313.69
GND on Signal 1 "GND_L01_P303" (solid, pour order 303): 6410.58,5486.57 6618.56,5486.57 6723.09,5382.04 6723.09,4655.12 6335.15,4655.12 6335.15,5301.22
NetF1_1 on Signal 1 "NETF1_1_L01_P280" (solid, pour order 280): 6939.72,4914.53 6678.08,4914.53 6615.5,4851.95 6613.07,3930.09 6977.59,3930.09 6977.59,4373.35 6977.59,4879.57
5V-SW on Signal 1 "5V-SW_L01_P296" (solid, pour order 296): 6512.22,3921.54 6461.9,3871.22 6346.86,3871.22 6346.86,3800.76 6375,3772.61 6386.5,3784.11 6487.5,3784.11 6534.6,3737.01 6596.73,3737.01 6596.73,3791.93 6596.38,3792.27 6616.63,3812.52 6616.63,3847.19
12V-SW on Signal 1 "12V-SW_L01_P289" (solid, pour order 289): 5810.99,3002.18 5794.79,2973.77 5794.79,2923.47 5826.19,2923.47 5856.89,2892.77 5856.89,2837.96 5834.95,2816.03 5845.95,2805.02 5989.59,2805.02 5989.59,2816.47 5995.52,2822.4 5915.15,2902.77 5915.15,2956.31 5924.66,2965.82 5950.03,3002.18
PGND on Signal 1 "PGND_L01_P286" (solid, pour order 286): 6804.29,3255.24 6974.23,3255.24 6994.13,3235.35 6994.13,3098.76 6985.27,3089.9 6789.83,3089.9 6780.22,3099.51 6786.48,3105.78 6786.48,3237.43
VCC_RPP on Signal 1 "VCC_RPP_L01_P248" (solid, pour order 248): 8147.51,3874.42 8128.69,3855.61 7704.57,3855.61 7655.57,3904.61 7356.67,3904.61 7337.63,3923.65 7339.37,4349.05 7340.78,4350.46 7777.44,4350.46 8147.51,3980.39
GND on Signal 1 "GND_L01_P226" (solid, pour order 226): 6506.88,5461.09 6488.82,5442.28 6488.82,5228.37 6517.26,5199.93 7009.48,5199.93 7038.65,5229.1 7038.65,5438.67 7016.23,5461.09
5V on Signal 1 "5V_L01_P225" (solid, pour order 225): 6624.93,4967.29 6646.96,4946.4 7097.03,4946.4 7125.9,4975.26 7126.76,5176.72 7109.64,5193.84 6647.05,5193.84 6646.56,5194.08 6624.93,5172.44
PGND on Signal 1 "PGND_L01_P269" (solid, pour order 269): 7253.19,2907.52 7253.19,2904.42 7262.6,2895.01 7262.6,2701.08 7253.19,2691.67 7145.89,2691.67 7106.81,2730.74 7106.81,2895.12 7118.65,2906.96
VCC_MOTOR on Signal 1 "VCC_MOTOR_L01_P229" (solid, pour order 229): 4973.46,3853.64 4859.31,3739.49 4591.66,3739.49 4577.74,3757.29 4577.74,4009.67 4611.03,4042.95 4973.46,4042.95
+VBAT on Signal 1 "+VBAT_L01_P277" (solid, pour order 277): 7668.18,4624.67 7666.68,4623.17 7372.3,4623.17 7343.77,4651.7 7345.27,4653.2 7345.27,4872.48 7320.45,4897.3 7008.39,4897.3 7008.39,4384.81 7034.37,4358.83 7675.69,4358.83 7701.23,4384.36 7701.23,4597.63
PGND on Signal 1 "PGND_L01_P276" (solid, pour order 276): 4777.12,3198.42 4775.02,3198.42 4721.41,3198.42 4697.54,3174.56 4656.38,3174.56 4642.56,3160.74 4642.56,2985.06 4972.95,2985.06 4972.95,3185.86 4970.44,3185.86 4957.88,3198.42
NetD1_1 on Signal 1 "NETD1_1_L01_P247" (solid, pour order 247): 7014.96,4116.81 7018.84,4112.93 7286.09,4112.93 7310.95,4088.07 7310.95,3882.2 7274.43,3845.69 7272.88,3847.24 7029.72,3847.24 7000.2,3876.76 7005.64,3882.2 7005.64,4112.93
no net on Top Overlay "NONET_L-01_P-001" (solid): 6861.6,2390.51 7897.01,2390.51 7897.01,2115.53 7897.01,2106.52 7875.07,2106.52 6861.6,2106.52
GND on Signal 2 "GND_L04_P318" (solid, remove dead copper, pour order 318): 5939.46,5000.84 5953.22,4987.08 5953.22,2230.69 3600.42,2230.69 2813.86,3017.25 2813.86,4982.5 3398.62,5567.26 6015.13,5567.26
PGND on Signal 2 "PGND_L04_P314" (solid, remove dead copper, pour order 314): 5890.27,5559.53 5890.27,1990.65 6097.34,1783.58 9334.3,1783.58 9334.3,5437.72 9227.72,5544.3
PGND on Signal 2 "PGND_L04_P260" (solid, pour order 260): 7945.62,2498.58 7934.72,2509.48 6950.94,2509.48 6950.94,3314.46 7949.89,3314.46 7950.39,3314.96
NetD1_1 on Signal 2 "NETD1_1_L04_P244" (solid, pour order 244): 7007.55,4115.49 7517.78,4115.49 7537.13,4096.13 7606.36,4096.13 7606.36,3987.12 7466.42,3847.18 7003.19,3847.18
NetD7_IN on Signal 2 "NETD7_IN_L04_P262" (solid, pour order 262): 6627.02,2830.97 6862.29,2830.97 6862.29,2390.51 6627.02,2390.51
NetQ4_D on Signal 2 "NETQ4_D_L04_P263" (solid, pour order 263): 6220.28,3212.31 6330.4,3212.31 6440.18,3093.58 6439.98,3044.62 6438.7,2744.63 6215.41,2744.63
VCC_MOTOR on Signal 2 "VCC_MOTOR_L04_P206" (solid, pour order 206): 4011.72,4270.84 3874.27,4270.84 3874.27,4396.55 3874.27,4500.09 4440.03,4500.09 4881.87,4058.24 4881.87,3745.39 4832.42,3690.67 4628.51,3690.67 4440,3879.18
PGND on Signal 2 "PGND_L04_P209" (solid, remove dead copper, pour order 209): 5392.31,4641.44 5422.92,4610.83 5422.92,4179.61 5274.99,4179.61 5274.99,4360.6 4606.96,4360.6 4488.18,4479.37 4486.17,4477.36 3862.07,4477.36 3862.07,4859.3 5173.3,4859.3 5378.09,4654.51
5V on Signal 2 "5V_L04_P217" (solid, pour order 217): 3859.03,4677.54 3860.34,4493.51 3630.1,4493.51 3630.1,4677.54
+HV on Signal 2 "+HV_L04_P255" (solid, pour order 255): 2876.33,4151.38 3516.88,4151.38 3567.14,4101.11 3567.14,3923.09 3269.74,3625.68 3270.35,3625.07 3270.35,3039.03 3777.43,2415.92 8109.88,2415.92 8630.35,3098.05 8630.35,3649.1 8334.64,3944.81 8334.64,4152.11 9014.63,4152.11 9014.63,3586.18 9014.63,2680.82 8396.63,2062.82 3497.38,2062.82 2876.33,2683.88
NetFB_D_1 on Signal 2 "NETFB_D_1_L04_P254" (solid, pour order 254): 7694.25,3315.99 7691.04,3319.2 7584.19,3319.2 7580.94,3322.45 7580.94,3446.32 7928.19,3446.32 7995.82,3377.28 8367.34,3377.28 8391.32,3353.3 8391.32,3309.86 8391.32,2876.51 8308.8,2773.08 8000,2773.08 7953.55,2819.53 7953.55,2969.8 7915.59,3007.76 7751.76,3007.76 7694.25,3065.27
PGND on Signal 2 "PGND_L04_P205" (solid, pour order 205): 4881.51,4852.58 4675.85,5058.24 4675.85,5324.61 4740.51,5324.61 4790.25,5374.34 4790.25,5448.74 4649.4,5589.59 4438.11,5589.59 4438.11,5292.01 4339.91,5193.81 4339.91,4799.02
VCC on Signal 2 "VCC_L04_P261" (solid, pour order 261): 6844.9,3564.41 6600.89,3564.41 6586.61,3550.14 6586.61,3429.35 6586.61,3003.83 6591.21,2999.23 6861.71,2999.23 6870.91,3008.43 6867.69,3011.65 6867.69,3539.37
NetF1_1 on Signal 2 "NETF1_1_L04_P253" (solid, pour order 253): 6939.72,4914.53 6678.08,4914.53 6615.5,4851.95 6615.5,3915.73 6973.73,3915.73 6975.02,3914.44 6977.59,3917.02 6977.59,4373.35 6977.59,4879.57
GND on Signal 2 "GND_L04_P313" (solid, pour order 313): 5037.63,3919.78 5032.61,3924.8 5032.61,3950.81 5037.86,3956.06 5178.22,3956.06 5183,3951.29 5183,3868.22 5151.49,3868.22 5151.01,3867.74 5090.85,3867.74 5090.85,3908.32 5079.4,3919.78
+VBAT on Signal 2 "+VBAT_L04_P245" (solid, pour order 245): 7668.18,4624.67 7666.68,4623.17 7372.3,4623.17 7343.77,4651.7 7345.27,4653.2 7345.27,4872.48 7285.19,4932.56 7029.86,4932.56 7008.39,4911.09 7008.39,4384.81 7034.37,4358.83 7675.69,4358.83 7701.23,4384.36 7701.23,4597.63
NetD1_2 on Signal 2 "NETD1_2_L04_P222" (solid, pour order 222): 7589.08,4216.85 7589.08,4217.61 7589.08,4315.49 7042.24,4315.49 7022.17,4295.42 7022.17,4152.69 7043.36,4130.71 7053.07,4130.71 7480.74,4130.71 7480.74,4152.69 7541.93,4213.87 7587.37,4213.87
VCC on Power "VCC_L03_P309" (solid, pour order 309): 6268.75,5241.17 6648.73,5621.15 8881.09,5621.15 9180.04,5322.19 9180.04,2366.21 7118.71,2366.21 6268.75,3216.16
5V on Power "5V_L03_P306" (solid, pour order 306): 5838.68,4647.62 5838.68,4256.01 5901.56,4193.13 6643.95,4193.13 6643.95,5453.23 6552.69,5544.49 5960.26,5544.49
12V on Power "12V_L03_P218" (solid, pour order 218): 5332.13,3950.57 5308.49,3926.93 5308.49,3848.3 5339.36,3817.43 5397.75,3817.43 5411.31,3834.01 5411.31,3928.85 5391.24,3948.92
12V on Power "12V_L03_P216" (solid, pour order 216): 6288.94,3102.83 6288.06,3103.71 6288.06,3263.73 6512.06,3263.73 6512.06,3102.83 7650.48,3102.83 7715.27,3038.03 7715.27,2461.74 5401.43,2504.79 5401.43,3102.83
VCC on Power "VCC_L03_P213" (solid, pour order 213): 5236.52,3209.96 5351.39,3095.09 5920.28,3095.09 6280.77,3095.09 6280.77,4255.28 6268.75,4272.13 5668.71,4263.76 5236.52,3831.58
VCC on Power "VCC_L03_P208" (solid, pour order 208): 4609.23,3341.92 4836.3,3568.99 4836.3,3971.95 5149.65,4285.3 5689.11,4285.3 5689.11,3776.64 5273.69,3361.22
5V on Power "5V_L03_P220" (solid, pour order 220): 3976.35,4643.61 3980.62,4643.61 3981.81,4477.02 3759.68,4477.02 3756.14,4480.56 3756.14,4643.61
3V3 on Power "3V3_L03_P198" (solid, pour order 198): 5843.41,5740.38 5843.41,4251.28 5176.05,4251.28 4846.2,3921.43 4846.2,3568.03 4593.56,3315.38 4139.95,3315.38 4107.77,3283.21 4107.77,2498.93 3812.95,2498.93 3354.07,3053.85 3354.07,3603.21 3631.35,3880.49 3631.35,4175.04 3631.31,4174.99 2884.35,4174.99 2884.35,4535.54 3222.38,4873.56 3223.45,4873.56 3223.45,5577.21 3386.62,5740.38
+HV on Power "+HV_L03_P295" (solid, pour order 295): 2876.33,4151.38 3516.88,4151.38 3567.14,4101.11 3567.14,3923.09 3269.74,3625.68 3270.35,3625.07 3270.35,3039.03 3777.43,2415.92 8109.88,2415.92 8630.35,3098.05 8630.35,3649.1 8334.64,3944.81 8334.64,4152.11 9014.63,4152.11 9014.63,3586.18 9014.63,2680.82 8396.63,2062.82 3497.38,2062.82 2876.33,2683.88
5V on Power "5V_L03_P219" (solid, pour order 219): 6624.93,4982.79 6645.32,4962.39 7066.03,4962.39 7112.13,5008.49 7112.81,5164.95 7083.91,5193.84 6646.33,5193.84 6624.93,5172.44
+VBAT on Power "+VBAT_L03_P297" (solid, pour order 297): 7668.18,4624.67 7666.68,4623.17 7372.3,4623.17 7343.77,4651.7 7345.27,4653.2 7345.27,4872.48 7285.19,4932.56 7029.86,4932.56 7008.39,4911.09 7008.39,4384.81 7034.37,4358.83 7675.69,4358.83 7701.23,4384.36 7701.23,4597.63
NetF1_1 on Power "NETF1_1_L03_P300" (solid, pour order 300): 6939.72,4914.53 6819.76,4914.53 6615.5,4710.27 6615.5,3916.02 6977.59,3916.02 6977.59,4879.57

## Keep-outs
Signal 2:
  rectangle: 4085.84,2427.97 5384.8,2869.52

## Other copper
Signal 1:
  pour cut-out: 8019.76,2437.79 ccw(c8169.12,2437.79) 8169.12,2288.43 ccw(c8169.12,2437.79) 8318.48,2437.79 ccw(c8169.12,2437.79) 8169.12,2587.15 ccw(c8169.12,2437.79)
  pour cut-out: 4633.93,2437.79 ccw(c4783.29,2437.79) 4783.29,2288.43 ccw(c4783.29,2437.79) 4932.65,2437.79 ccw(c4783.29,2437.79) 4783.29,2587.15 ccw(c4783.29,2437.79)
  pour cut-out: 4664.5,4721.25 ccw(c4783.29,4721.25) 4783.29,4602.46 ccw(c4783.29,4721.25) 4902.08,4721.25 ccw(c4783.29,4721.25) 4783.29,4840.05 ccw(c4783.29,4721.25)
  pour cut-out: 8050.32,4721.25 ccw(c8169.12,4721.25) 8169.12,4602.46 ccw(c8169.12,4721.25) 8287.91,4721.25 ccw(c8169.12,4721.25) 8169.12,4840.05 ccw(c8169.12,4721.25)
  pour cut-out: 4078.02,2570.61 4078.02,2880.45 5524.92,2880.45 5756.62,2648.74 5756.62,2463 4332.2,2463 4078.02,2463
  pour cut-out: 8679.52,4454.39 8587.61,4408.43 8392.3,4408.43 8256.98,4273.12 8256.98,3868.45 8384.64,3740.8 8640.13,3740.8
  pour cut-out: 3282.59,4185.56 3566.82,4185.56 3575.57,4176.82 3575.57,3499.97 3292.78,3499.97
  pour cut-out: 5576.58,2511.96 5562.29,2497.67 5562.29,2415.92 3777.49,2415.92 3268,3048.64 3269.57,3050.21 3269.57,4174.99 2872.26,4174.99 2872.26,4222.55 2872.26,4223.97 3302.78,4223.97 3363.7,4163.06 3363.7,3078.66 3842.74,2518.13
  pour cut-out: 9043.16,4314.99 8681.99,4314.99 8581.04,4214.04 8560.23,3154.39 8034.75,2512.18 5562.29,2512.18 5562.29,2415.92 6755.27,2412.58 8072.43,2415.92 8098.8,2415.92 8630.35,3112.57 8646.58,4155.31 8949.93,4155.31 9031.77,4151.25
  pour cut-out: 6007.94,2507.06 6007.94,2901.61 6197.3,2901.61 6197.3,2507.06
  pour cut-out: 6392.63,4009.08 6392.63,4193.48 6694.72,4193.48 6694.72,4009.08
  pour cut-out: 4269.28,2656.33 4269.28,2498.64 4560.46,2498.64 4560.46,2656.33
  pour cut-out: 5316.85,2656.61 5316.85,2498.92 5608.04,2498.92 5608.04,2656.61
Ground:
  pour cut-out: 8019.76,2437.79 ccw(c8169.12,2437.79) 8169.12,2288.43 ccw(c8169.12,2437.79) 8318.48,2437.79 ccw(c8169.12,2437.79) 8169.12,2587.15 ccw(c8169.12,2437.79)
  pour cut-out: 4633.93,2437.79 ccw(c4783.29,2437.79) 4783.29,2288.43 ccw(c4783.29,2437.79) 4932.65,2437.79 ccw(c4783.29,2437.79) 4783.29,2587.15 ccw(c4783.29,2437.79)
  pour cut-out: 5316.85,2824.55 5316.85,2466.45 5682.94,2466.45 5682.94,2824.55
  pour cut-out: 5871.81,2474.8 5871.81,2416.04 3777.34,2416.04 3269.86,3036.96 3269.86,3617.83 3336.35,3617.83 3336.35,3048.94 3811.13,2474.8
  pour cut-out: 8045.8,4355.18 8168.14,4193.88 8686.1,4193.88 9107.99,4193.88 9107.99,4409.3 8104.51,4413.9
  pour cut-out: 4087.56,2895.69 5360.97,2895.69 5392.49,2864.17 5392.49,2477.97 4085.64,2477.97 4084.46,2476.79
  pour cut-out: 8597.9,3112.07 8595.56,3114.41 8595.56,3610.65 8629.17,3610.65 8628.98,3111.81 8097.62,2415 6915.14,2415 6915.14,2473.03 8089.77,2468.81
  pour cut-out: 4269.28,2656.33 4269.28,2498.64 4560.46,2498.64 4560.46,2656.33
  pour cut-out: 3270.35,4174.99 3270.35,4203.8 3631.35,4203.8 3631.35,3914.76 3336.35,3615.04 3270.35,3613.92 3270.35,3615.04
  pour cut-out: 8629.57,4203.8 8267.02,4203.8 8267.02,3938.83 8598.18,3607.67 8629.57,3607.2
  pour cut-out: 3270.35,4203.8 3270.24,4203.69 2863.79,4203.69 2863.79,4173.13 2865.68,4175.02 3270.37,4175.02
Power:
  pour cut-out: 8019.76,2437.79 ccw(c8169.12,2437.79) 8169.12,2288.43 ccw(c8169.12,2437.79) 8318.48,2437.79 ccw(c8169.12,2437.79) 8169.12,2587.15 ccw(c8169.12,2437.79)
  pour cut-out: 4633.93,2437.79 ccw(c4783.29,2437.79) 4783.29,2288.43 ccw(c4783.29,2437.79) 4932.65,2437.79 ccw(c4783.29,2437.79) 4783.29,2587.15 ccw(c4783.29,2437.79)
  pour cut-out: 8575.34,3116.97 8575.34,3136.66 8575.34,3613.92 8629.58,3613.92 8629.38,3113.44 8098.02,2416.63 3768.15,2417.55 3270.35,3026.62 3270.35,3613.92 3306.49,3613.92 3306.49,3040.2 3754.56,2498.37 8085.75,2498.37
  pour cut-out: 4117.03,2895.76 5398.4,2895.76 5398.4,2474.8 5394.74,2478.46 4119.59,2478.46
  pour cut-out: 4269.28,2656.33 4269.28,2498.64 4560.46,2498.64 4560.46,2656.33
  pour cut-out: 5316.85,2739.39 5316.85,2498.92 5740.19,2498.92 5624.33,2739.39
  pour cut-out: 8992.69,3606.22 8992.69,3656.65 8996.99,3660.96 9058.73,3660.96 9058.73,3629.4 9035.55,3606.22 9030.65,3606.22 9053.74,1943.71 3543.89,1872.61 2838.47,2578.02 2838.47,4133.89 2880.81,4176.23 2902.62,4176.23 2902.62,3644.48 3070.09,3477.01 3070.09,3273.44 2905.41,3150.91 2905.41,2884.83 3429.47,2198.44 3512.06,2088.52 5076.72,2088.52 5215.26,2227.07 5345.08,2227.07 5465.5,2091.31 6422.73,2091.31 6556.61,2225.19 6675,2225.19 6808.19,2092 8388.52,2092 8463.6,2198.44 8994.05,2889.28 8994.05,3155.76 8950.16,3155.76 8823.13,3282.79 8823.13,3483.85 8945.51,3606.22
  pour cut-out: 8627.69,3614.25 8627.69,3626.63 8330.9,3923.42 8330.9,4101.44 8381.17,4151.71 8571.76,4151.71 8627.56,4081.32 8627.56,4204.14 8266.69,4204.14 8266.69,3923.74 8575.71,3614.25
  pour cut-out: 8488.29,4144.46 8986.22,3646.53 9036.95,3646.53 9036.95,4171.46 8489.05,4171.46
  pour cut-out: 3404.76,4143.63 2912.44,3651.31 2899.24,3651.31 2899.24,4177.67 2900.21,4178.64 2902.62,4176.23 3403.85,4176.23
  pour cut-out: 3270.35,3613.92 3270.35,3626.29 3567.14,3923.09 3567.14,4101.11 3516.88,4151.38 3326.28,4151.38 3270.48,4080.98 3270.48,4203.8 3631.35,4203.8 3631.35,3938.83 3630.86,3938.83 3306.44,3613.92
  pour cut-out: 8627.8,4204.02 8627.91,4203.91 9034.36,4203.91 9034.36,4173.35 9032.47,4175.24 8627.78,4175.24
  pour cut-out: 3270.46,4203.91 3270.35,4203.8 2863.9,4203.8 2863.9,4173.24 2865.79,4175.13 3270.48,4175.13
Signal 2:
  pour cut-out: 8019.76,2437.79 ccw(c8169.12,2437.79) 8169.12,2288.43 ccw(c8169.12,2437.79) 8318.48,2437.79 ccw(c8169.12,2437.79) 8169.12,2587.15 ccw(c8169.12,2437.79)
  pour cut-out: 4633.93,2437.79 ccw(c4783.29,2437.79) 4783.29,2288.43 ccw(c4783.29,2437.79) 4932.65,2437.79 ccw(c4783.29,2437.79) 4783.29,2587.15 ccw(c4783.29,2437.79)
  pour cut-out: 4664.5,4721.25 ccw(c4783.29,4721.25) 4783.29,4602.46 ccw(c4783.29,4721.25) 4902.08,4721.25 ccw(c4783.29,4721.25) 4783.29,4840.05 ccw(c4783.29,4721.25)
  pour cut-out: 8050.32,4721.25 ccw(c8169.12,4721.25) 8169.12,4602.46 ccw(c8169.12,4721.25) 8287.91,4721.25 ccw(c8169.12,4721.25) 8169.12,4840.05 ccw(c8169.12,4721.25)
  pour cut-out: 8085.83,2498.81 8083.43,2501.21 6864.41,2501.21 6862.29,2499.1 6862.29,2470.42 6926.52,2470.42 6926.72,2470.22 6926.72,2442.2 7175.4,2442.2 7175.74,2441.86 7175.42,2441.54 7175.42,2415.92 8100.4,2415.92 8139.41,2454.92 8630.35,3098.05 8630.35,3650.56 8335.1,3945.81 8335.1,4105.64 8381.17,4151.71 8571.76,4151.71 8627.56,4081.32 8627.56,4204.14 8266.69,4204.14 8266.69,3923.99 8576.43,3614.25 8574.63,3116.85 8445.16,2955.5
  pour cut-out: 8488.29,4144.46 8986.22,3646.53 9022.6,3646.53 9022.6,4204.83 8489.98,4204.83
  pour cut-out: 3804.41,2498.86 6627.02,2498.86 6627.02,2478.62 6627.02,2470.42 6620.42,2470.42 6620.42,2415.92 3761.61,2415.92 3270.35,3039.61 3270.35,3625.78 3565.16,3920.59 3565.16,4101.11 3515.88,4150.38 3406.82,4149.7 2908.61,3651.31 2899.24,3651.31 2899.24,4177.67 2900.21,4178.64 2902.62,4176.23 3403.85,4176.23 3405.08,4174.99 3631.31,4174.99 3631.31,3915.92 3341.17,3625.78 3335.31,3625.78 3335.31,3039.61
  pour cut-out: 9026.08,4210.52 8997.54,4181.98 8997.54,3614.34 8950.36,3614.34 8827.98,3491.96 8827.98,3290.9 8955.01,3163.87 8998.9,3163.87 8998.9,2897.39 8468.45,2206.55 8393.37,2100.11 6813.05,2100.11 6679.85,2233.3 6561.47,2233.3 6427.59,2099.42 5470.35,2099.42 5349.93,2235.18 5220.12,2235.18 5081.57,2096.63 3516.91,2096.63 3434.32,2206.55 2910.26,2892.95 2910.26,3159.02 3074.94,3281.56 3074.94,3485.12 2907.47,3652.59 2907.47,4184.34 2885.66,4184.34 2843.32,4142 2843.32,2586.14 3548.74,1880.72 9049.84,1951.71
  pour cut-out: 4269.28,2656.33 4269.28,2498.64 4560.46,2498.64 4560.46,2656.33
  pour cut-out: 5387.87,2876.51 5316.85,2498.92 5673.11,2498.92 5676.91,2876.51
  pour cut-out: 6926.52,2470.42 6857.97,2470.42 6857.97,2390.51 6704.19,2390.51 6704.19,2470.42 6620.42,2470.42 6620.42,2340.51 6926.52,2340.51

## Silkscreen, mask and mechanical layers (free items; w line width, h text height)
Top Overlay:
  circle w20: c3796.77,2181.29 r4.72
  region: 3776.77,2341.29 3816.77,2341.29 3796.77,2221.29
  lines w10: 3136.84,4627.34 3136.84,4775.14 3253.85,4775.14 3253.85,4627.34 3136.84,4627.34 ; 8396.34,4657.77 8630.8,4657.77 8630.8,4825.88 8396.34,4825.88 8396.34,4657.77 ; 8683.96,4361.04 8683.96,4499.53 8929.19,4499.53 8929.19,4361.04 8683.96,4361.04
  lines w18: 3776.77,2341.29 3816.77,2341.29 3796.77,2221.29 3776.77,2341.29
  lines w25: 3616.77,2131.29 3986.77,2131.29 3796.77,2451.29 3616.77,2131.29
  text "VCC" at 8454.56,4752.27 h39.37
  text "3V3" at 3190.71,4653.4 h39.37 r90
  text "+HV" at 8746.46,4436.45 h39.37
  text "DANGER!" at 8369.96,4352.35 h39.37
  text "KEEP HANDS AWAY!" at 8368.06,3899.07 h39.37
  text "KEEP HANDS AWAY!" at 2912.02,3859.64 h39.37
  text "Reserved space /  for future" at 5186.73,3498.75 h35
  text "KICK" at 4303.62,2175.1 h60
  text "CHIP" at 5424.61,2159.11 h60
  text "HIGH VOLTAGE" at 8326.03,2129.07 h39.37 r55
  text "HIGH VOLTAGE" at 4065.14,2116.23 h39.37
Bottom Overlay:
  circle w20: c3710.18,2178.97 r4.72
  region: 3690.18,2338.97 3730.18,2338.97 3710.18,2218.97
  lines w10: 5397.75,3624.39 6430.14,3624.39 ; 5397.75,3624.39 5397.75,4010.46 6430.14,4010.46 6430.14,3624.39 ; 5397.75,3624.39 6430.14,3624.39 ; 5397.75,3624.39 5397.75,3333.73 6430.14,3333.73 6430.14,3624.39
  lines w18: 3690.18,2338.97 3730.18,2338.97 3710.18,2218.97 3690.18,2338.97
  lines w25: 3530.18,2128.97 3900.18,2128.97 3710.18,2448.97 3530.18,2128.97
  text "JLCJLCJLCJLC" at 7233.62,4643.98 h45
  text "Power-V3.6" at 6407.28,3946.33 h39.37
  text "Alan Xue / Willem Van Dam / Henry Rovner / Amber Yun" at 6419.04,3659.87 h39.37
  text "Aakaash Senthilkumar / Fatima  / Mushtaq / Musa Charara / Dannon Sturn" at 5886.87,3633.07 h39.37
  text "DANGER - HIGH VOLTAGE PRESENT" at 6404.68,3479.92 h39.37
  text "HANDLE WITH CAUTION" at 6404.63,3363.48 h39.37
  text "HIGH VOLTAGE" at 8881.56,2925.94 h39.37 r55
  text "HIGH VOLTAGE" at 3496.75,2327.82 h39.37 r305
  text "KICK" at 4512.96,2175.63 h60
  text "CHIP" at 5632.69,2157.73 h60
Mechanical 1:
  circle w0.5: c4783.29,4721.25 r70.87
  circle w0.25: c5947.01,4635.56 r0.12
  circle w0.5: c4783.29,2437.79 r70.87
  circle w0.5: c8169.12,2437.79 r70.87
  circle w0.5: c8169.12,4721.25 r70.87
  lines w0.5: 3220.13,4881.59 2876.33,4538.87 2876.33,3583.12 cw(c2854.83,3387.3) 2876.33,3191.47 2876.33,2876.51 3497.38,2062.82 5132.51,2062.82 ; 4485.05,4881.59 4525,4921.54 4525,5493.66 5435.78,5493.66 5435.78,4849.61 5650.51,4635.56 6243.51,4635.56 6458.23,4849.61 6458.23,5493.66 7370,5493.66 7370,4920.55 7408.96,4881.59 8673.88,4881.59 ; 5422.92,2062.82 6471.09,2062.82 ; 8396.63,2062.82 9017.69,2876.51 9017.69,3191.47 cw(c9039.18,3387.3) 9017.69,3583.12 9017.69,4538.87 ; 8673.93,4881.64 9017.73,4538.92
  lines w7.87: 2876.33,2876.51 3497.38,2062.82 5132.51,2062.82 cw(c5277.72,2058.62) 5422.92,2062.82 6471.09,2062.82 cw(c6616.3,2058.62) 6761.51,2062.82 8396.63,2062.82 9017.69,2876.51 9017.69,3191.47 cw(c9039.18,3387.3) 9017.69,3583.12 9017.69,4538.87 8673.88,4881.59 7408.96,4881.59 7370,4920.55 7370,5493.66 6458.23,5493.66 6458.23,4849.61 6243.51,4635.56 5650.51,4635.56 5435.78,4849.61 5435.78,5493.66 4525,5493.66 4525,4921.54 4485.05,4881.59 3220.13,4881.59 2876.33,4538.87 2876.33,3583.12 cw(c2854.83,3387.3) 2876.33,3191.47 2876.33,2876.51

## Dimensions
8169.12,2437.79 to 4783.29,2437.79 on Mechanical 16
8169.12,4721.25 to 8169.12,2437.79 on Mechanical 16
4783.29,2437.79 to 4783.29,4721.25 on Mechanical 16
8169.12,4721.25 to 4783.29,4721.25 on Mechanical 16
8169.12,4721.25 to 8650.79,4053.54 on Mechanical 16
8169.12,4721.25 to 8650.79,4053.54 on Mechanical 16
4783.29,4721.25 to 3242.91,4053.54 on Mechanical 16
4783.29,4721.25 to 3242.91,4053.54 on Mechanical 16

## Text inside footprints (layer, text, board x,y; h text height)
D10: Mechanical 13 "*" at 3779.72,3651.95 h50 r90
D17: Mechanical 13 "*" at 5080.05,4807.16 h50 r180
U1: Top Overlay "*" at 7620.64,3847.28 h50 r270; Mechanical 13 "*" at 7583.24,3796.03 h50 r270
U5: Top Overlay "*" at 7215.2,3156.38 h50; Mechanical 13 "*" at 7275.89,3156.38 h50
U6: Top Overlay "*" at 3567.21,3452.05 h50 r90; Mechanical 13 "*" at 3605.21,3485.55 h50 r90